# Altium PCB adc_brd_raton_v0.PcbDoc (part 2 of 5) (continued)
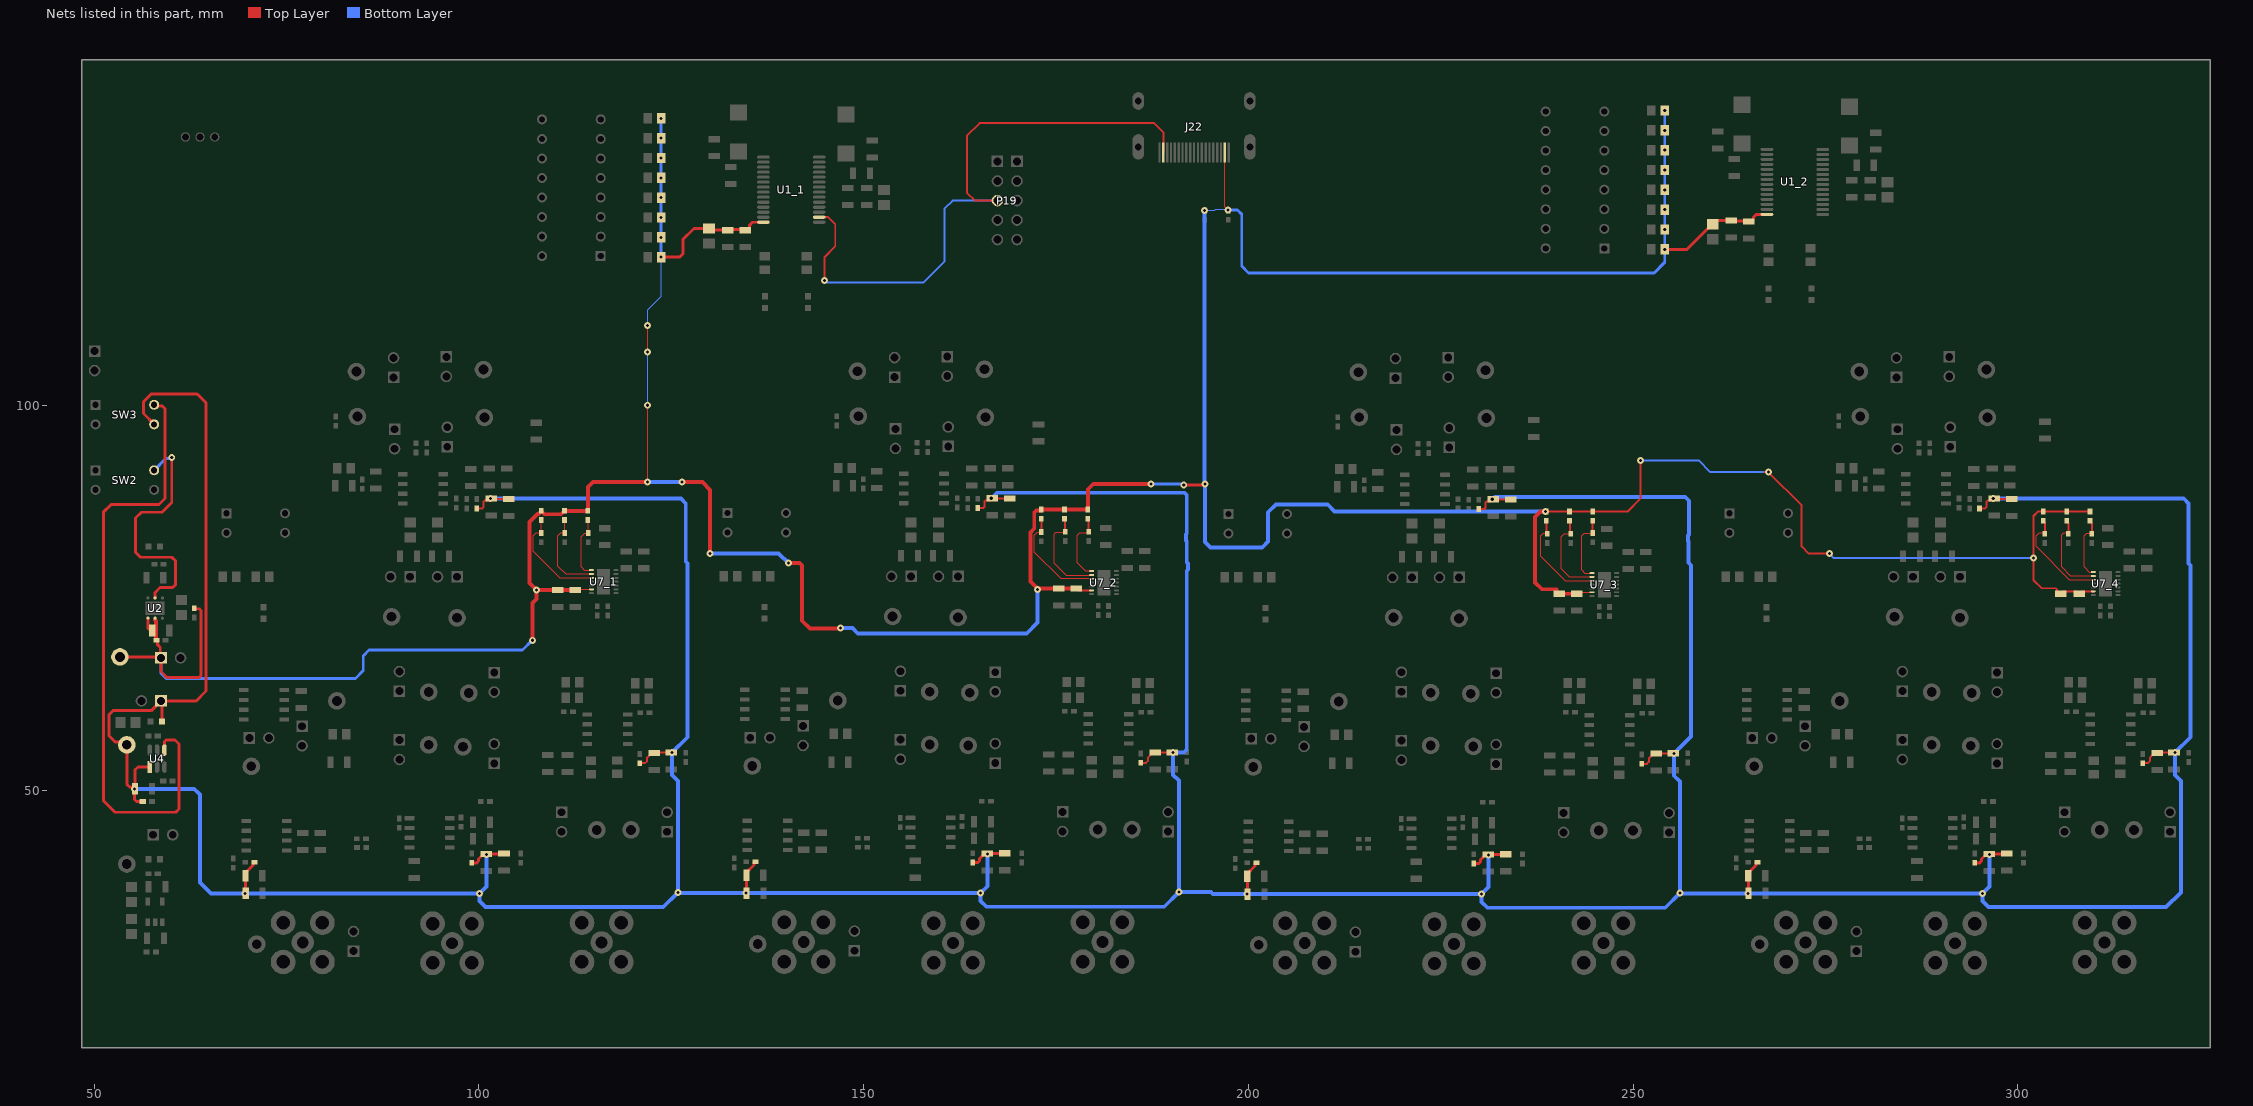
[diagram p2: the nets of this part, all layers, seen from the top]
## Part data (continued)
J1 J2 J3 J4_1 J4_2 J4_3 J4_4 J5_1 J5_2 J5_3 J5_4 J6_1 J6_2 J6_3 J6_4 J8_1 J8_2 J8_3 J8_4 J9_1 J9_2 J9_3 J9_4 J10_1 J10_2 J10_3 J10_4 J11_1 J11_2 J11_3 J11_4 J12_1 J12_2 J12_3 J12_4 J13_1 J13_2 J13_3 J13_4 J14_1 J14_2 J14_3 J14_4 J15_1 J15_2 J15_3 J15_4 J16_1 J16_2 J16_3 J16_4 J17_1 J17_2 J17_3 J17_4 J18_1 J18_2 J18_3 J18_4 J19_1 J19_2 J19_3 J19_4: library part CMP-002-00000-2, "PCB-Probe-Ring", Color=Black
J7_1 J7_2 J7_3 J7_4 J20_1 J20_2 J20_3 J20_4 J21_1 J21_2 J21_3 J21_4: library part CMP-002-00001-2, Case/Package=SMA, Manufacturer=LPRS, Max Frequency=6GHz, Connector Type=SMA,Coaxial, Contact Material=Gold, Contact Plating=Gold, Impedance=50R, REACH SVHC="No SVHC", Supplier=Mouser, Supplier No=471-SMACONNECTOR
J22: library part 2086581051-2, "CONN FEM SMD 19 90Deg HDMI", Case/Package="4 PIN", Manufacturer=Molex, Supplier Part Number 1=Mouser, Design Item ID=2086581051, Source="Connector Library.SchLib", Status=Active, Supplier 1=Mouser, Type=HYBRID
J23 J24 J25: library part "1PIN Debug-2", "CONN MAL TH 1 0Deg HEADER", Case/Package="1 PIN", Design Item ID="1PIN Debug", Source="Connector Library.SchLib", Status=NC, Type=N/A
LED1_1 LED1_2 LED2_1 LED2_2 LED5_1 LED5_2 LED5_3 LED5_4: library part "LED 0603 Red 20mA 1.7V-1", "LED-0603-Red-20mA-1.7V-STOCK", Case/Package=0603, Manufacturer=Generic, Supplier Part Number 1=67-1551-6-ND, Bin=F2-DM1-2, Design Item ID="LED 0603 Red 20mA 1.7V", Source="Diode Library.SchLib", Status=Active, Supplier 1=Digi-Key, Type=SMD
LED3 LED4 LED6: library part "LED 0603 Green 20mA 1.8V-1", "LED-0603-Green-20mA-1.8V-STOCK", Case/Package=0603, Manufacturer=Generic, Supplier Part Number 1=645-598-8060-107F, Bin=F2-DM1-1, Design Item ID="LED 0603 Green 20mA 1.8V", Source="Diode Library.SchLib", Status=Active, Supplier 1=Mouser, Type=SMD
P1 P2 P3 P4_1 P4_2 P4_3 P4_4 P5_1 P5_2 P5_3 P5_4 P6_1 P6_2 P6_3 P6_4 P7_1 P7_2 P7_3 P7_4 P8_1 P8_2 P8_3 P8_4 P9_1 P9_2 P9_3 P9_4 P10_1 P10_2 P10_3 P10_4 P11_1 P11_2 P11_3 P11_4 P12_1 P12_2 P12_3 P12_4 P13_1 P13_2 P13_3 P13_4 P14_1 P14_2 P14_3 P14_4 P15_1 P15_2 P15_3 P15_4 P16_1 P16_2 P16_3 P16_4 P17_1 P17_2 P17_3 P17_4 P18_1 P18_2 P18_3 P18_4 P20: library part "GENERIC 2PIN HEADER MALE-2", "CONN MAL TH 2 0Deg HEADER", Case/Package="n/a PIN", Manufacturer=Generic, Bin=B3-J5, Design Item ID="GENERIC 2PIN HEADER MALE", Source="Connector Library.SchLib", Status=Active, Type=TH
P19: library part "GENERIC 5x2 PINS HEADER MALE-2", "CONN MAL TH 5x2 0Deg HEADER", Case/Package="2 PIN", Manufacturer=Generic, Bin=B3-J5, Design Item ID="GENERIC 5x2 PINS HEADER MALE", Source="Connector Library.SchLib", Status=Active, Type=TH
R1_1 R1_2 R2_1 R2_2 R3_1 R3_2 R4_1 R4_2 R5_1 R5_2 R6_1 R6_2 R7_1 R7_2 R8_1 R8_2 R22_1 R22_2 R22_3 R22_4 R23_1 R23_2 R23_3 R23_4 R27_1 R27_2 R27_3 R27_4 R28_1 R28_2 R28_3 R28_4 R70_1 R70_2 R70_3 R70_4: library part "RES 10k 0805 125mW 1%-1", "RES-10k-0805-125mW-1%", Case/Package=0805, Manufacturer=Generic, Bin=F1-R12-10, Design Item ID="RES 10k 0805 125mW 1%", MAPPING=1(2,1,10k), Source="Resistor Library.SchLib", Status=Active, Type=SMD
R9_1 R9_2 R10_1 R10_2 R15_1 R15_2 R15_3 R15_4 R25_1 R25_2 R25_3 R25_4 R26_1 R26_2 R26_3 R26_4 R36_1 R36_2 R36_3 R36_4 R69_1 R69_2 R69_3 R69_4: library part "RES 1k 0805 125mW 5%-1", "RES-1k-0805-125mW-5%", Case/Package=0805, Manufacturer=Generic, Bin=F1-R12-6, Design Item ID="RES 1k 0805 125mW 5%", MAPPING=1(2,1,30.9k), Source="Resistor Library.SchLib", Status=Active, Type=SMD
R11 R16_1 R16_2 R16_3 R16_4 R17_1 R17_2 R17_3 R17_4 R18_1 R18_2 R18_3 R18_4 R21_1 R21_2 R21_3 R21_4 R45 R46 R47 R48 R49 R50 R51 R52 R53 R54 R55 R56 R57 R58 R59 R60 R61 R62 R63 R64 R65 R66 R67 R68 R81 R82: library part "RES 10k 0402 63mW 5%-1", "RES-10k-0402-63mW-5%", Case/Package=0402, Manufacturer=Generic, Bin=F1-R7-9, Design Item ID="RES 10k 0402 63mW 5%", MAPPING=1(2,1,11.5k), Source="Resistor Library.SchLib", Status=Active, Type=SMD
R12 R13 R14 R80: library part "RES 100 0805 125mW 1%-1", "RES-100-0805-125mW-1%", Case/Package=0805, Manufacturer=Generic, Bin=F1-R11-6, Design Item ID="RES 100 0805 125mW 1%", MAPPING=1(2,1,10k), Source="Resistor Library.SchLib", Status=Active, Type=SMD
R19_1 R19_2 R19_3 R19_4 R20_1 R20_2 R20_3 R20_4 R24_1 R24_2 R24_3 R24_4 R29_1 R29_2 R29_3 R29_4 R31_1 R31_2 R31_3 R31_4 R71_1 R71_2 R71_3 R71_4 R72_1 R72_2 R72_3 R72_4 R73_1 R73_2 R73_3 R73_4 R74_1 R74_2 R74_3 R74_4 R75_1 R75_2 R75_3 R75_4 R76_1 R76_2 R76_3 R76_4 R77_1 R77_2 R77_3 R77_4 R78_1 R78_2 R78_3 R78_4 R79_1 R79_2 R79_3 R79_4: library part "RES 0 0402 63mW-1", "RES-0-0402-63mW-5%", Case/Package=0402, Manufacturer=Generic, Bin=F1-RM1-5, Design Item ID="RES 0 0402 63mW", MAPPING=1(2,1,11.5k), Source="Resistor Library.SchLib", Status=Active, Type=SMD
R30_1 R30_2 R30_3 R30_4 R33_1 R33_2 R33_3 R33_4 R34_1 R34_2 R34_3 R34_4 R37_1 R37_2 R37_3 R37_4: library part "RES 7.5k 0402 63mW 5%-1", "RES-7.5k-0402-63mW-5%", Case/Package=0402, Manufacturer=Generic, Bin=F1-R3-1, Design Item ID="RES 7.5k 0402 63mW 5%", MAPPING=1(2,1,11.5k), Source="Resistor Library.SchLib", Status=Active, Type=SMD
R32_1 R32_2 R32_3 R32_4 R35_1 R35_2 R35_3 R35_4: library part "RES 50 0805 125mW 1%-1", "RES-50-0805-125mW-1%", Case/Package=0805, Manufacturer=Generic, Bin=F1-R9-6, Design Item ID="RES 50 0805 125mW 1%", MAPPING=1(2,1,30.9k), Source="Resistor Library.SchLib", Status=Active, Type=SMD
SW1_1 SW1_2: library part 210-8MS-2, "SWITCH DIP SMD SPST 8 100mA 50V", Case/Package="16 PDIP", Manufacturer="C&K Components", Supplier Part Number 1=774-2108MS, Design Item ID=210-8MS, Source="Switches Library.SchLib", Status=Active, Supplier 1=Mouser, Type=TH
SW2 SW3 SW4_1 SW4_2 SW4_3 SW4_4: library part CMP-01293-3, "SWITCH DIP SPST 2 100mA 50V", Current Rating=100mA, Max Operating Temperature=85°C, Min Operating Temperature=-40°C, Package Quantity=85, Voltage Rating (DC)=20V, Actuator Type="Slide (Standard)", Contact Material=Copper, Contact Plating=Gold,Tin, Electrical Life=1000Cycles, Lead Free="Lead Free", Length=0.258inch, Max Current Rating=100mA, Mount="Through Hole", Number of Positions=2, Orientation=Straight, Packaging=Rail/Tube, Pitch=0.1inch, Terminal Pitch=2.54mm, Termination="PC Pin", Throw Configuration=SPST, Washable=No
U1_1 U1_2: library part CMP-019-00000-3, "Analogue to Digital Converter, Dual, 24 bit, 216 kSPS, Single, 4.75 V, 5.25 V, SSOP ;RoHS Compliant: Yes", Case/Package=SSOP, Max Operating Temperature=70°C, Max Power Dissipation=408mW, Max Supply Voltage=5.25V, Min Operating Temperature=-10°C, Min Supply Voltage=4.75V, Nominal Supply Current=55mA, Operating Supply Voltage=5V, Package Quantity=250, Power Consumption=338mW, Conversion Rate=216KS/s, Height=1.95mm, Interface=Serial, Lead Free="Lead Free", Length=10.2mm, Mount="Surface Mount", Number of A/D Converters=2, Number of ADC Channels=2, Number of Analog Inputs=1, Number of Bits=24, Number of Converters=2, Number of DAC Channels=0, Number of Elements=2, Number of Pins=28, Packaging="Tape and Reel", Polarity=Bipolar, Power Dissipation=408mW, Radiation Hardening=No, REACH SVHC="No SVHC", Resolution=24b, Sampling Rate=216KS/s, Supply Type=Analog,Digital, Weight=0.008529oz, Width=5.3mm
U2: library part CMP-01296-4, "STMICROELECTRONICS - LD39200PU33R - LDO, FIXED, 3.3V, 2A, -40 TO 125DEG C", Case/Package="6-pin DFN", Manufacturer=STMicroelectronics, Supplier Part Number1=NR, Bin=NR, Status=NR, Supplier1=NR, Type=SMD
U3: library part CMP-01298-2, "MICROCHIP - MIC5225-5.0YM5-TR - Fixed LDO Voltage Regulator, 2.3V to 16V, 310mV Dropout, 5Vout, 150mAout, SOT-23-5", Case/Package=SOT-23-5, Manufacturer=Microchip, Supplier Part Number1=NR, Bin=NR, Datasheet=NR, Status=NR, Supplier1=NR, Type=SMD
U4: library part LM2776DBVR-7, "Charge Pump Negative Voltage", Case/Package="6 SOT-23", Manufacturer="Texas Instruments", Status=Active, Type=SMD
U5_1 U5_2 U5_3 U5_4 U6_1 U6_2 U6_3 U6_4: library part CMP-019-00001-1, "IC OPAMP GP 8MHZ 8SOIC", Case/Package=D, Input Bias Current=10nA, Input Offset Voltage (Vos)=200uV, Max Dual Supply Voltage=18V, Max Operating Temperature=85°C, Min Dual Supply Voltage=2.5V, Min Operating Temperature=-40°C, Nominal Supply Current=3.8mA, Operating Supply Current=3.7mA, Output Current=45mA, Package Quantity=2500, Power Supply Rejection Ratio (PSRR)=126.02dB, Voltage Gain=160dB, Bandwidth=8MHz, Common Mode Rejection Ratio=120dB, Contact Plating=Gold, Gain Bandwidth Product=8MHz, Lead Free="Lead Free", Max I/O Voltage=200uV, Max Supply Voltage=18V, Nominal Gain Bandwidth Product=8MHz, Number of Channels=1, Number of Circuits=1, Number of Elements=1, Number of Pins=8, Output Current per Channel=45mA, Packaging="Tape and Reel", Radiation Hardening=No, Slew Rate=2.3V/µs, Unity Gain Bandwidth Product=8MHz
U7_1 U7_2 U7_3 U7_4: library part CMP-01300-2, "Maxim DS4420N+, Programmable Gain Amplifier 67dB, 14-Pin TDFN", Max Operating Temperature=70°C, Max Supply Voltage=5.5V, Min Operating Temperature=-20°C, Min Supply Voltage=4.5V, Nominal Supply Current=1.7mA, Package Quantity=100, Power Supply Rejection Ratio (PSRR)=90dB, Bandwidth=20kHz, Features=I²C, Height=0.75mm, Length=3mm, Number of Amplifiers=1, Number of Pins=14, Packaging=Rail/Tube, Radiation Hardening=No, REACH SVHC=Unknown, Width=3mm
U8_1 U8_2 U8_3 U8_4 U9_1 U9_2 U9_3 U9_4 U10_1 U10_2 U10_3 U10_4: library part CMP-019-00002-1, "IC OPAMP AUDIO 180MHZ 8SOIC", Case/Package=D, Dual Supply Voltage=15V, Input Bias Current=2uA, Input Offset Voltage (Vos)=3mV, Max Dual Supply Voltage=16V, Max Operating Temperature=85°C, Max Power Dissipation=2W, Max Supply Voltage=32V, Min Dual Supply Voltage=2.5V, Min Operating Temperature=-40°C, Min Supply Voltage=5V, Nominal Supply Current=14mA, Output Current=85mA, Package Quantity=2500, Power Supply Rejection Ratio (PSRR)=70dB, Voltage Gain=78dB, -3db Bandwidth=180MHz, Bandwidth=180MHz, Common Mode Rejection Ratio=74dB, Contact Plating=Gold, Gain=78dB, Gain Bandwidth Product=180MHz, Lead Free="Lead Free", Nominal Gain Bandwidth Product=180MHz, Number of Channels=1, Number of Circuits=1, Number of Elements=1, Number of Pins=8, Operating Supply Current=14mA, Output Current per Channel=85mA, Packaging="Tape and Reel", Radiation Hardening=No, Slew Rate=50V/µs, Supply Type=Single,Dual, Weight=0.002677oz

## Via types
v1: diameter 0.9, hole 0.4, Top Layer to Bottom Layer, tented both sides, 521 vias
v2: diameter 0.9, hole 0.4, Top Layer to Bottom Layer, 23 vias
v3: diameter 6, hole 3.15, Top Layer to Bottom Layer, 4 vias

## Nets (pads, with @x,y where several pads share a name; then routed paths per layer and width w, separated by ;. In a path a pad name is that pad's centre, name@x,y a point inside that pad or via, vN(x,y) a via of type N, cw(c..) or ccw(c..) an arc to the next point about the centre after c; other vN are vias at no path point)
3V3: C10_1.1 C10_2.1 C11_1.1 C11_2.1 C12_1.1 C12_2.1 C14.1 C15.1 C37_1.1 C37_2.1 C37_3.1 C37_4.1 C38_1.1 C38_2.1 C38_3.1 C38_4.1 J2.1 J22.18 P2.1 R1_1.2 R1_2.2 R2_1.2 R2_2.2 R3_1.2 R3_2.2 R4_1.2 R4_2.2 R5_1.2 R5_2.2 R6_1.2 R6_2.2 R7_1.2 R7_2.2 R8_1.2 R8_2.2 R11.2 R45.2 R46.2 R47.2 R51.2 R52.2 R53.2 R57.2 R58.2 R59.2 R63.2 R64.2 R65.2 R81.2 R82.2 U1_1.14 U1_2.14 U2.1 U2.2 U7_1.6 U7_2.6 U7_3.6 U7_4.6 | length 631.4
  Top Layer w0.152: C38_1.1@112.522,75.987 112.624,76.089 U7_1.6@114.605,76.089 ; v1(121.92,90.043) v1(121.92,100.017) ; v1(121.92,106.934) v1(121.92,110.363) ; J22.18@196.937,132.842 196.937,125.81 v1(197.358,125.389) R82.2@197.358,125.314 ; C38_3.1@242.697,75.522 242.859,75.684 244.086,75.684 244.125,75.723 U7_3.6@244.493,75.723
  Top Layer w0.254: C38_2.1@177.631,76.2 177.885,75.946 179.417,75.946 U7_2.6@179.431,75.96 ; R51.2@238.691,86.198 R52.2@241.727,86.198 R53.2@244.764,86.198 249.266,86.198 250.952,87.884 v1(250.952,92.837) ; R51.2@238.703,86.149 R51.2@238.721,86.167 ; R1_2.2@254.109,138.319 R1_2.2@254.113,138.315 ; 267.081,91.313 v1(267.589,91.313) 271.907,86.995 271.907,81.661 272.832,80.736 v1(275.537,80.736) ; R47.2@309.372,86.198 R46.2@306.336,86.198 R45.2@303.299,86.198 303.264,86.233 302.641,86.233 302.031,85.623 302.031,77.302 303.101,76.233 304.895,76.233 305.097,76.03 305.097,75.795 305.37,75.522 C37_4.1@305.562,75.522 305.835,75.795 307.702,75.795 C38_4.1@307.975,75.522 308.248,75.795 309.058,75.795 309.098,75.835 U7_4.6@309.804,75.835
  Top Layer w0.381: J2.1@53.34,67.31 58.547,67.31 58.578,67.279 58.578,68.549 58.239,68.888 58.239,69.36 58.13,69.469 C15.1@58.074,69.469 ; U2.1@56.962,72.36 56.962,71.089 57.203,70.848 57.93,70.848 58.039,70.739 58.057,70.721 ; 57.912,72.11 U2.2@57.912,72.339 ; P2.1@58.674,67.183 58.674,65.405 59.436,64.643 63.658,64.643 63.881,64.866 63.881,73.341 63.658,73.564 63.053,73.564 R11.2@62.992,73.625 ; C10_1.1@132.334,122.766 130.148,122.766 C11_1.1@129.921,122.993 127.934,122.993 126.492,121.551 126.492,119.66 126.097,119.265 v1(123.684,119.265) ; C10_1.1@132.378,122.766 132.441,122.83 C12_1.1@134.62,122.83 ; C12_1.1@134.62,122.766 134.97,122.766 135.18,122.976 135.18,123.415 135.568,123.803 U1_1.14@136.964,123.803 ; v1(191.595,89.676) 194.298,89.676 v1(194.38,89.758) v1@194.462,89.84 ; C12_2.1@265.049,123.909 265.399,123.909 265.609,124.119 265.609,124.431 265.997,124.819 U1_2.14@267.393,124.819 ; C12_2.1@265.049,123.973 262.827,123.973 C10_2.1@262.763,124.036 260.956,124.036 260.45,123.53 260.25,123.53 257.001,120.281 v1(254.113,120.281) ; v1(123.684,119.265) 123.698,119.251 v1(123.684,119.265) ; v1(254.113,120.281) 254.127,120.267 v1(254.113,120.281)
  Top Layer w0.508: 57.912,72.11 58.039,71.983 58.039,70.739 58.039,69.504 C15.1@58.074,69.469 ; v1(106.934,69.469) 106.934,74.295 107.485,74.846 v1(107.485,75.987) ; C38_1.1@112.002,75.987 C37_1.1@110.236,75.987 v1(107.485,75.987) ; C38_1.1@112.002,76.157 112.129,76.03 C38_1.1@112.522,76.03 ; v1(121.92,90.043) 114.808,90.043 114.15,89.385 R65.2@114.15,86.29 R64.2@111.113,86.29 111.113,86.215 111.067,86.169 110.992,86.169 110.675,85.852 108.515,85.852 108.198,86.169 108.123,86.169 R63.2@108.077,86.215 ; v1(126.365,90.043) 129.032,90.043 130.048,89.027 v1(130.048,80.772) ; v1(140.208,79.502) 141.688,79.502 141.986,79.204 141.986,72.009 143.002,70.993 146.939,70.993 v1(147.002,71.056) v1@147.066,71.12 ; C38_2.1@177.631,76.2 C37_2.1@175.345,76.2 172.594,76.2 171.662,77.132 171.662,83.482 172.17,83.99 172.17,86.064 172.444,86.338 173.02,86.338 173.066,86.384 R57.2@173.066,86.452 R58.2@176.103,86.452 R59.2@179.139,86.452 179.139,89.096 179.832,89.789 v1(187.325,89.789) ; v1@238.294,86.206 237.958,86.206 237.269,85.517 237.269,76.988 238.158,76.098 240.019,76.098 240.073,76.043 240.073,75.668 240.219,75.522 C37_3.1@240.411,75.522 C38_3.1@242.697,75.522 ; v1(107.485,75.987) 106.578,76.894 106.578,84.841 107.609,85.871 107.733,85.871 R63.2@108.077,86.215 ; R63.2@108.077,86.215 R63.2@108.077,86.29 R63.2@108.077,86.215
  Bottom Layer w0.152: v1(121.92,100.017) v1(121.92,106.934) ; v1(121.92,110.363) 121.92,112.395 123.698,114.173 123.698,119.251 v1(123.684,119.265) ; v1(194.31,125.349) 195.62,125.349 195.765,125.494 197.253,125.494 v1(197.358,125.389)
  Bottom Layer w0.254: v1(250.952,92.837) 258.508,92.837 260.032,91.313 v1(267.589,91.313) ; v1@275.59,80.645 276.098,80.137 v1(302.006,80.137)
  Bottom Layer w0.381: P2.1@58.674,67.183 58.674,65.151 59.309,64.516 83.947,64.516 84.963,65.532 84.963,67.437 85.725,68.199 105.664,68.199 v1(106.934,69.469) ; v1(123.684,119.265) v1(123.684,121.841) v1(123.684,124.418) v1(123.684,126.994) v1(123.684,129.57) v1(123.684,132.146) v1(123.684,134.723) v1(123.684,137.299) ; v1(187.325,89.789) 191.516,89.789 v1@191.643,89.662 ; v1(197.358,125.389) 198.588,125.389 199.136,124.841 199.136,118.11 200.025,117.221 252.73,117.221 254.113,118.604 v1(254.113,120.281) v1(254.113,122.857) v1(254.113,125.434) v1(254.113,128.01) v1(254.113,130.586) v1(254.113,133.162) v1(254.113,135.739) v1(254.113,138.303)
  Bottom Layer w0.508: v1(121.92,90.043) 126.238,90.043 v1@126.365,90.17 ; v1(130.048,80.772) 138.938,80.772 v1(140.208,79.502) ; v1(147.002,71.056) 148.526,71.056 149.225,70.358 171.196,70.358 172.593,71.755 v1(172.593,76.073) ; v1(194.31,125.349) 194.31,89.828 v1(194.38,89.758) 194.38,82.226 195.072,81.534 201.803,81.534 202.565,82.296 202.565,86.106 203.581,87.122 210.312,87.122 211.201,86.233 v1(238.633,86.233)
3V3_EN: SW2.4 U2.5 | length 31.3
  Top Layer w0.381: U2.5@57.912,74.981 57.917,74.986 57.917,75.697 58.547,76.327 60.198,76.327 60.579,76.708 60.579,79.756 60.071,80.264 56.007,80.264 55.372,80.899 55.372,85.344 56.134,86.106 58.801,86.106 60.071,87.376 v1(60.071,93.218)
  Bottom Layer w0.381: SW2.4@57.785,91.567 59.337,93.119 59.972,93.119 v1(60.071,93.218)
-V5: C22.1 C23.1 C27_1.1 C27_2.1 C27_3.1 C27_4.1 C28_1.1 C28_2.1 C28_3.1 C28_4.1 C29_1.1 C29_2.1 C29_3.1 C29_4.1 C30_1.1 C30_2.1 C30_3.1 C30_4.1 C58_1.1 C58_2.1 C58_3.1 C58_4.1 C59_1.1 C59_2.1 C59_3.1 C59_4.1 C60_1.1 C60_2.1 C60_3.1 C60_4.1 C61_1.1 C61_2.1 C61_3.1 C61_4.1 J3.1 LED6.1 P3.1 R71_1.2 R71_2.2 R71_3.2 R71_4.2 R74_1.1 R74_2.1 R74_3.1 R74_4.1 R76_1.1 R76_2.1 R76_3.1 R76_4.1 R77_1.2 R77_2.2 R77_3.2 R77_4.2 SW3.3 U4.1 | length 785
  Top Layer w0.254: R71_1.2@99.695,86.614 100.435,86.614 100.584,86.763 100.584,87.462 100.733,87.611 101.327,87.611 C59_1.1@101.6,87.884 101.643,87.841 C58_1.1@103.886,87.841 ; R74_1.1@120.904,53.502 121.574,53.502 121.846,53.774 121.846,54.208 122.459,54.821 C60_1.1@122.809,54.821 122.852,54.864 C61_1.1@124.968,54.864 ; R71_2.2@164.804,86.657 165.544,86.657 165.693,86.806 165.693,87.505 165.841,87.654 166.436,87.654 C59_2.1@166.709,87.927 166.752,87.884 C58_2.1@168.995,87.884 ; R74_2.1@186.013,53.545 186.683,53.545 186.954,53.817 186.954,54.251 187.568,54.864 C60_2.1@187.918,54.864 187.961,54.907 C61_2.1@190.077,54.907 ; R71_3.2@229.912,86.53 230.653,86.53 230.801,86.679 230.801,87.378 230.95,87.527 231.544,87.527 C59_3.1@231.817,87.8 231.86,87.757 C58_3.1@234.103,87.757 ; R74_3.1@251.121,53.418 251.791,53.418 252.063,53.69 252.063,54.124 252.676,54.737 C60_3.1@253.026,54.737 253.069,54.78 C61_3.1@255.185,54.78 ; R71_4.2@295.021,86.614 295.761,86.614 295.91,86.763 295.91,87.462 296.059,87.611 296.653,87.611 C59_4.1@296.926,87.884 296.969,87.841 C58_4.1@299.212,87.841 ; R74_4.1@316.23,53.502 316.9,53.502 317.172,53.774 317.172,54.208 317.785,54.821 C60_4.1@318.135,54.821 318.178,54.864 C61_4.1@320.294,54.864
  Top Layer w0.381: C22.1@56.296,48.514 55.499,48.514 55.245,48.768 55.245,50.122 C23.1@55.288,50.165 C23.1@55.288,50.209 ; U4.1@57.216,53.002 55.669,53.002 55.276,52.609 55.276,51.673 55.288,51.661 C23.1@55.288,50.209 ; SW3.3@57.785,97.536 56.388,98.933 56.388,100.457 57.404,101.473 63.373,101.473 64.516,100.33 64.516,62.865 63.246,61.595 P3.1@58.674,61.595 ; LED6.1@58.801,58.928 58.801,61.468 P3.1@58.674,61.595 ; C27_1.1@69.682,36.576 69.661,36.597 69.661,38.84 C29_1.1@69.639,38.862 69.639,39.212 70.646,40.219 70.646,40.531 70.756,40.64 R76_1.1@70.831,40.64 ; R77_1.2@99.06,40.548 99.73,40.548 99.953,40.771 99.953,41.035 100.615,41.697 C28_1.1@100.965,41.697 100.987,41.719 103.23,41.719 C30_1.1@103.251,41.74 ; C27_2.1@134.791,36.619 134.769,36.64 134.769,38.883 C29_2.1@134.748,38.905 134.748,39.255 135.755,40.262 135.755,40.574 135.865,40.683 R76_2.1@135.94,40.683 ; R77_2.2@164.169,40.591 164.839,40.591 165.062,40.814 165.062,41.078 165.724,41.74 C28_2.1@166.074,41.74 166.095,41.762 168.338,41.762 C30_2.1@168.36,41.783 ; C27_3.1@199.899,36.492 199.878,36.513 199.878,38.756 C29_3.1@199.856,38.778 199.856,39.128 200.864,40.135 200.864,40.447 200.973,40.556 R76_3.1@201.048,40.556 ; R77_3.2@229.277,40.464 229.947,40.464 230.171,40.687 230.171,40.951 230.832,41.613 C28_3.1@231.182,41.613 231.204,41.635 233.447,41.635 C30_3.1@233.468,41.656 ; C27_4.1@265.008,36.576 264.986,36.597 264.986,38.84 C29_4.1@264.965,38.862 264.965,39.212 265.972,40.219 265.972,40.531 266.082,40.64 R76_4.1@266.157,40.64 ; R77_4.2@294.386,40.548 295.056,40.548 295.279,40.771 295.279,41.035 295.941,41.697 C28_4.1@296.291,41.697 296.312,41.719 298.555,41.719 C30_4.1@298.577,41.74 ; C23.1@55.288,50.209 55.078,50.419 54.579,50.419 54.229,50.769 J3.1@54.229,55.88 53.864,56.245 52.721,56.245 51.943,57.023 51.943,59.817 52.451,60.325 57.404,60.325 P3.1@58.674,61.595
  Bottom Layer w0.508: v1(55.245,50.165) 62.992,50.165 63.754,49.403 63.754,37.973 65.151,36.576 v1(69.596,36.576) v1(100.076,36.576) ; v1(100.965,41.656) 100.965,37.465 v1(100.076,36.576) ; v1(101.473,87.884) 126.238,87.884 126.873,87.249 126.873,79.697 127.094,79.476 127.094,56.863 v1(125.095,54.864) 125.095,51.943 125.857,51.181 v1(125.857,36.703) ; v1(166.074,41.699) 166.074,37.508 v1(165.185,36.619) ; v1(166.582,87.927) 167.301,88.646 191.684,88.646 191.982,88.348 191.982,83.313 191.913,83.244 191.913,82.45 191.982,82.381 191.982,79.593 192.13,79.445 192.13,78.652 191.982,78.504 191.982,55.288 191.601,54.907 v1(190.204,54.907) 190.204,51.986 190.966,51.224 v1(190.966,36.746) ; v1(231.182,41.572) 231.182,37.381 v1(230.293,36.492) ; v1(231.69,87.8) 231.719,87.8 232.024,88.105 256.768,88.105 257.269,87.604 257.269,83.221 257.123,83.075 257.123,82.365 257.175,82.313 257.175,79.57 257.523,79.222 257.523,56.991 v1(255.312,54.78) 255.312,51.859 256.074,51.097 v1(256.074,36.619) ; v1(296.291,41.656) 296.291,37.465 v1(295.402,36.576) ; v1(296.799,87.884) 321.564,87.884 322.199,87.249 322.199,79.443 322.42,79.222 322.42,56.863 v1(320.421,54.864) 320.421,51.943 321.183,51.181 321.183,36.703 319.278,34.798 296.164,34.798 295.402,35.56 v1(295.402,36.576) ; v1(100.076,36.576) 100.076,35.56 100.838,34.798 123.952,34.798 v1(125.857,36.703) ; v1(125.857,36.703) 125.941,36.619 v1(134.705,36.619) v1(165.185,36.619) ; v1(165.185,36.619) 165.185,35.603 165.947,34.841 189.061,34.841 v1(190.966,36.746) ; v1(190.966,36.746) 195.114,36.746 195.368,36.492 v1(199.813,36.492) v1(230.293,36.492) ; v1(230.293,36.492) 230.293,35.476 231.055,34.714 254.169,34.714 v1(256.074,36.619) ; v1(256.074,36.619) 256.117,36.576 v1(264.922,36.576) v1(295.402,36.576)
-V5_EN: SW3.4 U4.4 | length 81.9
  Top Layer w0.381: SW3.4@57.785,100.076 57.961,99.9 58.85,99.9 59.182,99.568 59.182,87.884 58.42,87.122 52.197,87.122 51.181,86.106 51.181,85.217 51.181,48.641 52.705,47.117 60.579,47.117 61.008,47.546 61.008,55.99 60.483,56.515 59.339,56.515 59.116,56.292 U4.4@59.116,55.202
A0_1: R63.1 R66.2 U7_1.3 | length 14.1
  Top Layer w0.152: R63.1@108.077,85.09 R66.2@108.077,83.404 108.042,83.439 107.442,83.439 107.061,83.058 107.061,81.026 110.498,77.589 U7_1.3@114.837,77.589
A0_2: R57.1 R60.2 U7_2.3 | length 13.9
  Top Layer w0.152: R60.2@173.052,83.482 R60.2@173.101,83.531 ; R60.2@173.101,83.447 173.066,83.482 172.551,83.482 172.17,83.101 172.17,80.941 175.579,77.532 U7_2.3@179.585,77.532
  Top Layer w0.254: R57.1@173.066,85.252 173.084,85.235 R60.2@173.084,83.548
A0_3: R51.1 R54.2 U7_3.3 | length 13.2
  Top Layer w0.152: R54.2@238.829,83.312 238.786,83.355 238.295,83.355 237.998,83.058 237.998,80.391 241.173,77.216 U7_3.3@244.636,77.216
  Top Layer w0.254: R51.1@238.691,84.998 238.76,84.929 R54.2@238.76,83.381
A0_4: R45.1 R48.2 U7_4.3 | length 13.7
  Top Layer w0.152: U7_4.3@309.897,77.343 306.705,77.343 302.387,81.661 302.387,83.058 302.768,83.439 R48.2@303.368,83.439 ; R48.2@303.368,83.439 303.403,83.404 R48.2@303.368,83.439
  Top Layer w0.254: R45.1@303.299,84.998 303.299,84.923 303.507,84.715 303.507,83.404 R48.2@303.507,83.312
A1_1: R64.1 R67.2 U7_1.2 | length 11.8
  Top Layer w0.152: R64.1@111.125,85.078 111.125,83.416 111.102,83.439 110.617,83.439 110.236,83.058 110.236,79.121 111.268,78.089 114.957,78.089
  Top Layer w0.254: R64.1@111.113,85.09 R64.1@111.125,85.078 ; R67.2@111.125,83.416 R67.2@111.137,83.404
A1_2: R58.1 R61.2 U7_2.2 | length 12.5
  Top Layer w0.152: R61.2@176.21,83.482 174.964,83.482 174.752,83.27 174.752,79.502 176.322,77.932 U7_2.2@179.585,77.932
  Top Layer w0.254: R58.1@176.103,85.252 176.149,85.206 R61.2@176.149,83.612
A1_3: R52.1 R55.2 U7_3.2 | length 11.6
  Top Layer w0.152: R55.2@241.889,83.312 241.046,83.312 240.665,82.931 240.665,78.74 241.681,77.724 U7_3.2@244.679,77.724
  Top Layer w0.254: R52.1@241.727,84.998 241.808,84.917 R55.2@241.808,83.393
A1_4: R46.1 R49.2 U7_4.2 | length 11.4
  Top Layer w0.152: R49.2@306.428,83.439 305.943,83.439 305.689,83.185 305.689,78.994 306.794,77.889 U7_4.2@309.802,77.889
  Top Layer w0.254: R46.1@306.336,84.998 306.336,84.923 306.566,84.692 R49.2@306.566,83.312
A2_1: R65.1 R68.2 U7_1.1 | length 8.5
  Top Layer w0.152: R65.1@114.15,85.09 114.173,85.067 R68.2@114.173,83.427 ; R68.2@114.196,83.404 113.757,83.404 113.284,82.931 113.284,78.994 113.689,78.589 U7_1.1@114.837,78.589
  Top Layer w0.254: R68.2@114.173,83.427 R68.2@114.196,83.404
A2_2: R59.1 R62.2 U7_2.1 | length 9.2
  Top Layer w0.152: R62.2@179.305,83.447 178.104,83.447 177.758,83.101 177.758,79.544 178.816,78.486 179.336,78.486 179.341,78.481 179.599,78.481 U7_2.1@179.605,78.486
  Top Layer w0.254: R59.1@179.139,85.252 179.197,85.194 R62.2@179.197,83.624
A2_3: R53.1 R56.2 U7_3.1 | length 9.1
  Top Layer w0.152: U7_3.1@244.653,78.208 243.737,78.208 243.332,78.613 243.332,83.058 243.678,83.404 R56.2@244.729,83.404
  Top Layer w0.254: R56.2@244.729,83.404 244.746,83.421 244.746,84.981 R53.1@244.764,84.998
A2_4: R47.1 R50.2 U7_4.1 | length 8.4
  Top Layer w0.152: R50.2@309.522,83.404 308.956,83.404 308.61,83.058 308.61,78.994 309.266,78.338 309.753,78.338 U7_4.1@309.802,78.289
  Top Layer w0.254: R47.1@309.372,84.998 309.372,84.923 309.626,84.669 309.626,83.404 R50.2@309.626,83.312
BCLK_1: J22.2 P19.5 U1_1.16 | length 82.5
  Top Layer w0.254: U1_1.16@144.214,124.453 145.39,124.453 146.304,123.539 146.304,120.65 144.907,119.253 v1(144.907,116.205) ; P19.5@167.386,126.619 167.364,126.597 164.487,126.597 163.424,127.66 163.424,135.042 165.059,136.677 187.747,136.677 188.937,135.488 J22.2@188.937,132.842
  Bottom Layer w0.254: v1(144.907,116.205) 145.082,116.205 145.336,115.951 157.734,115.951 160.528,118.745 160.528,125.603 161.544,126.619 P19.5@167.386,126.619